# Altium PCB Main_Board.PcbDoc (part 7 of 19) (continued)
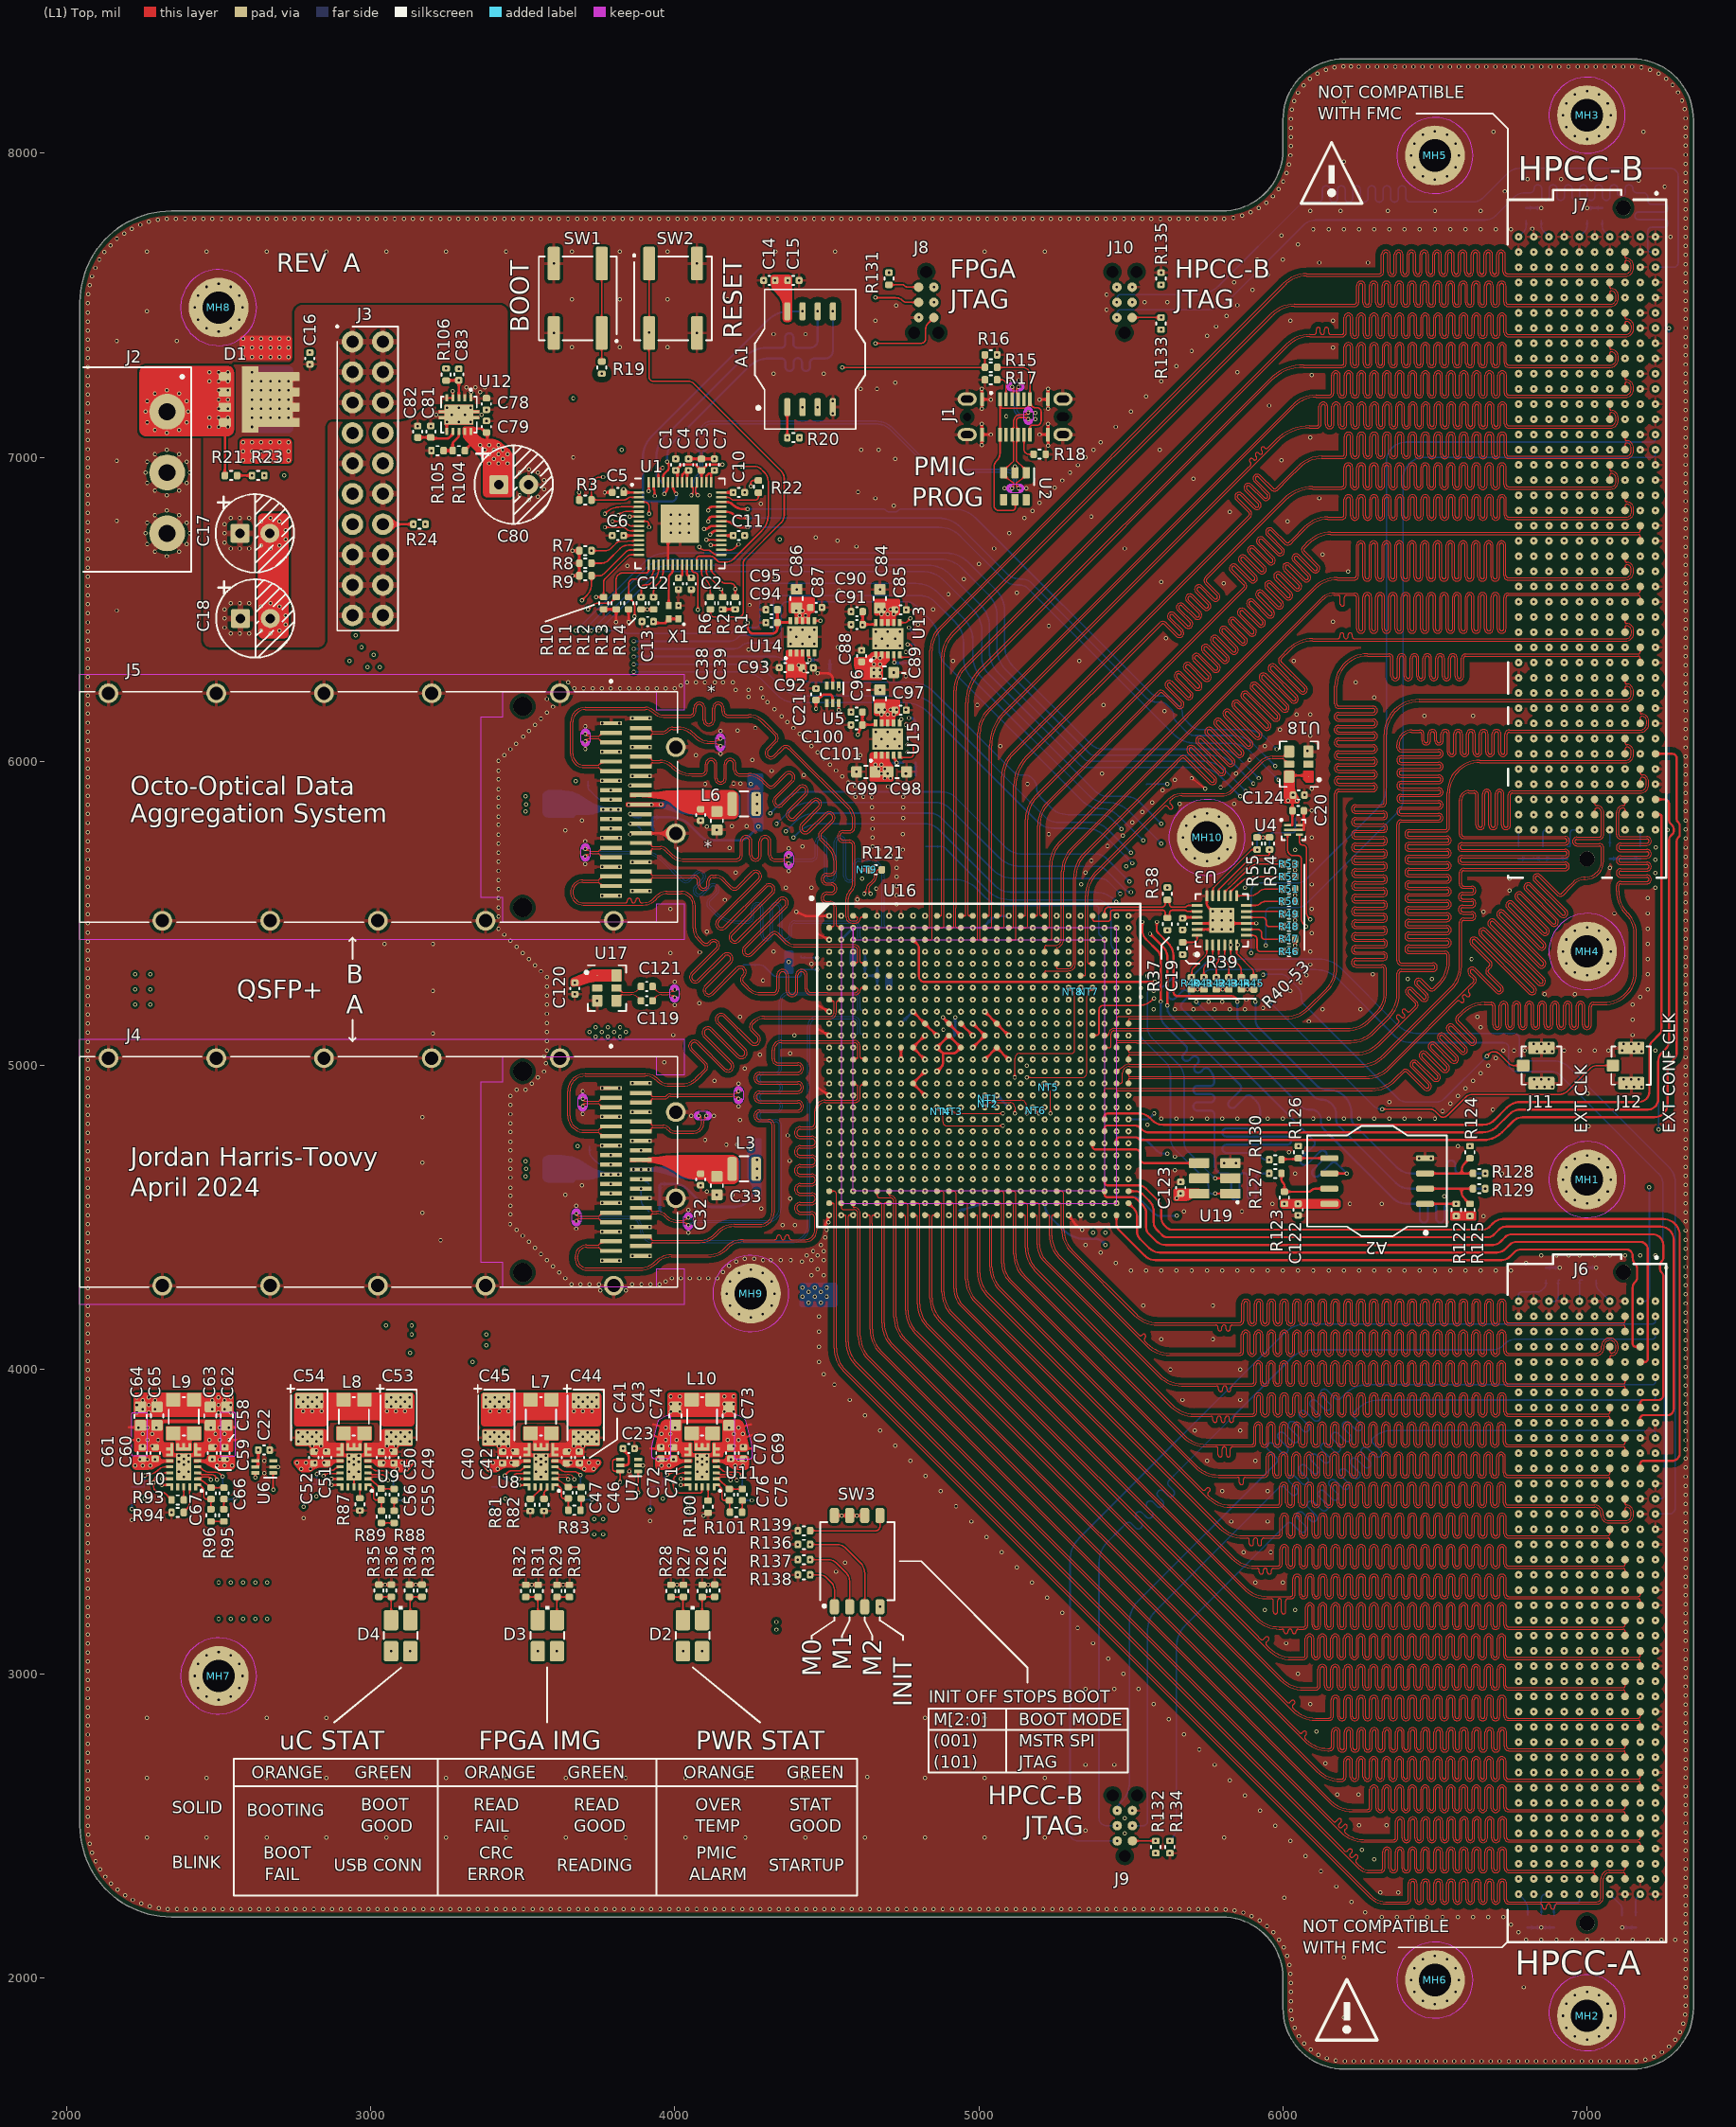
[diagram p0: (L1) Top view]
## Nets (pads, with @x,y where several pads share a name; then routed paths per layer and width w, separated by ;. In a path a pad name is that pad's centre, name@x,y a point inside that pad or via, vN(x,y) a via of type N, cw(c..) or ccw(c..) an arc to the next point about the centre after c; other vN are vias at no path point) (continued)
HPCC_A_29_P: J6.E18 U16.AB11 | length 3805.9
  (L10) Inner 9 w3.5: v1(4901.57,4665.35) 4914.04,4665.35 cw(c4914.04,4654.51) 4924.89,4654.51 4924.89,4483.77 ccw(c4927.36,4483.77) 4925.61,4482.02 cw(c4923.86,4480.27) 4926.34,4480.27 4926.34,4275.09 ccw(c5026.34,4275.09) 4955.63,4204.37 5776.31,3383.69 ccw(c5847.02,3454.4) 5847.02,3354.4 6402,3354.4 6430.45,3354.4 cw(c6430.45,3338.85) 6446,3338.85 6446,3289.35 ccw(c6452.75,3289.35) 6459.5,3289.35 6459.5,3339.73 cw(c6475.05,3339.73) 6490.6,3339.73 6490.6,3289.35 ccw(c6497.35,3289.35) 6504.1,3289.35 6504.1,3339.73 cw(c6519.65,3339.73) 6535.2,3339.73 6535.2,3289.35 ccw(c6541.95,3289.35) 6548.7,3289.35 6548.7,3339.73 cw(c6564.25,3339.73) 6579.8,3339.73 6579.8,3289.35 ccw(c6586.55,3289.35) 6593.3,3289.35 6593.3,3339.73 cw(c6608.85,3339.73) 6624.4,3339.73 6624.4,3289.35 ccw(c6631.15,3289.35) 6637.9,3289.35 6637.9,3339.73 cw(c6653.45,3339.73) 6669,3339.73 6669,3289.35 ccw(c6675.75,3289.35) 6682.5,3289.35 6682.5,3339.73 cw(c6698.05,3339.73) 6713.6,3339.73 6713.6,3289.35 ccw(c6720.35,3289.35) 6727.1,3289.35 6727.1,3338.85 cw(c6742.65,3338.85) 6742.65,3354.4 6803,3354.4 7021.5,3354.4 ccw(c7021.5,3357.9) 7023.97,3355.43 ccw(c7021.5,3357.9) 7025,3357.9 v1(7025,3375)
HPCC_A_30_N: J6.E23 U16.AD9 | length 3931.4
  (L10) Inner 9 w3.5: v1(4822.83,4586.61) 4833.68,4586.61 cw(c4833.68,4581.29) 4839,4581.29 4839,4233.62 ccw(c4947.8,4233.62) 4870.87,4156.69 5850.09,3177.47 ccw(c5927.02,3254.4) 5927.02,3145.6 6332.06,3145.6 6347.31,3145.6 cw(c6347.31,3138.85) 6354.06,3138.85 6354.06,3127.04 ccw(c6360.81,3127.04) 6367.56,3127.04 6367.56,3138.85 cw(c6374.31,3138.85) 6374.31,3145.6 6398,3145.6 6400,3145.6 6428.45,3145.6 cw(c6428.45,3138.85) 6435.2,3138.85 6435.2,3091.08 ccw(c6450.75,3091.08) 6466.3,3091.08 6466.3,3139.32 cw(c6473.05,3139.32) 6479.8,3139.32 6479.8,3091.08 ccw(c6495.35,3091.08) 6510.9,3091.08 6510.9,3139.32 cw(c6517.65,3139.32) 6524.4,3139.32 6524.4,3091.08 ccw(c6539.95,3091.08) 6555.5,3091.08 6555.5,3139.32 cw(c6562.25,3139.32) 6569,3139.32 6569,3091.08 ccw(c6584.55,3091.08) 6600.1,3091.08 6600.1,3139.32 cw(c6606.85,3139.32) 6613.6,3139.32 6613.6,3091.08 ccw(c6629.15,3091.08) 6644.7,3091.08 6644.7,3139.32 cw(c6651.45,3139.32) 6658.2,3139.32 6658.2,3091.08 ccw(c6673.75,3091.08) 6689.3,3091.08 6689.3,3139.32 cw(c6696.05,3139.32) 6702.8,3139.32 6702.8,3091.08 ccw(c6718.35,3091.08) 6733.9,3091.08 6733.9,3138.85 cw(c6740.65,3138.85) 6740.65,3145.6 6799,3145.6 7021.5,3145.6 cw(c7021.5,3142.1) 7023.97,3144.57 cw(c7021.5,3142.1) 7025,3142.1 v1(7025,3125)
HPCC_A_30_P: J6.E22 U16.AC9 | length 3923.7
  (L10) Inner 9 w3.5: v1(4822.83,4625.98) 4836.33,4625.98 cw(c4836.33,4615.96) 4846.35,4615.96 4846.35,4483.77 ccw(c4848.83,4483.77) 4847.07,4482.02 ; 4847.08,4482.02 cw(c4845.32,4480.27) 4847.8,4480.27 4847.8,4233.62 ccw(c4947.8,4233.62) 4877.09,4162.91 5856.31,3183.69 ccw(c5927.02,3254.4) 5927.02,3154.4 6400,3154.4 6428.45,3154.4 cw(c6428.45,3138.85) 6444,3138.85 6444,3091.08 ccw(c6450.75,3091.08) 6457.5,3091.08 6457.5,3139.32 cw(c6473.05,3139.32) 6488.6,3139.32 6488.6,3091.08 ccw(c6495.35,3091.08) 6502.1,3091.08 6502.1,3139.32 cw(c6517.65,3139.32) 6533.2,3139.32 6533.2,3091.08 ccw(c6539.95,3091.08) 6546.7,3091.08 6546.7,3139.32 cw(c6562.25,3139.32) 6577.8,3139.32 6577.8,3091.08 ccw(c6584.55,3091.08) 6591.3,3091.08 6591.3,3139.32 cw(c6606.85,3139.32) 6622.4,3139.32 6622.4,3091.08 ccw(c6629.15,3091.08) 6635.9,3091.08 6635.9,3139.32 cw(c6651.45,3139.32) 6667,3139.32 6667,3091.08 ccw(c6673.75,3091.08) 6680.5,3091.08 6680.5,3139.32 cw(c6696.05,3139.32) 6711.6,3139.32 6711.6,3091.08 ccw(c6718.35,3091.08) 6725.1,3091.08 6725.1,3138.85 cw(c6740.65,3138.85) 6740.65,3154.4 6799,3154.4 7021.5,3154.4 ccw(c7021.5,3157.9) 7023.97,3155.43 ccw(c7021.5,3157.9) 7025,3157.9 v1(7025,3175)
HPCC_A_31_N: J6.E27 U16.AC7 | length 3973.3
  (L10) Inner 9 w3.5: v1(4744.09,4625.98) 4754.91,4625.98 cw(c4754.91,4620.89) 4760,4620.89 4760,4192.62 ccw(c4868.8,4192.62) 4791.87,4115.69 5930.09,2977.47 ccw(c6007.02,3054.4) 6007.02,2945.6 6492.55,2945.6 6518.25,2945.6 cw(c6518.25,2938.85) 6525,2938.85 6525,2881.52 ccw(c6540.55,2881.52) 6556.1,2881.52 6556.1,2939.85 cw(c6562.85,2939.85) 6569.6,2939.85 6569.6,2881.52 ccw(c6585.15,2881.52) 6600.7,2881.52 6600.7,2939.85 cw(c6607.45,2939.85) 6614.2,2939.85 6614.2,2881.52 ccw(c6629.75,2881.52) 6645.3,2881.52 6645.3,2939.85 cw(c6652.05,2939.85) 6658.8,2939.85 6658.8,2881.52 ccw(c6674.35,2881.52) 6689.9,2881.52 6689.9,2939.85 cw(c6696.65,2939.85) 6703.4,2939.85 6703.4,2881.52 ccw(c6718.95,2881.52) 6734.5,2881.52 6734.5,2938.85 cw(c6741.25,2938.85) 6741.25,2945.6 6792,2945.6 7021.5,2945.6 cw(c7021.5,2942.1) 7023.97,2944.57 cw(c7021.5,2942.1) 7025,2942.1 v1(7025,2925)
HPCC_A_31_P: J6.E26 U16.AB7 | length 4061.2
  (L10) Inner 9 w3.5: v1(4744.09,4665.35) 4756.88,4665.35 cw(c4756.88,4654.88) 4767.35,4654.88 4767.35,4483.77 ccw(c4769.83,4483.77) 4768.07,4482.02 ; 4768.08,4482.02 cw(c4766.32,4480.27) 4768.8,4480.27 4768.8,4192.62 ccw(c4868.8,4192.62) 4798.09,4121.91 5936.31,2983.69 ccw(c6007.02,3054.4) 6007.02,2954.4 6425.5,2954.4 6427.25,2954.4 ccw(c6427.25,2961.15) 6434,2961.15 6434,2966.94 cw(c6440.75,2966.94) 6447.5,2966.94 6447.5,2959.7 ccw(c6454.25,2959.7) 6461,2959.7 6461,2966.94 cw(c6467.75,2966.94) 6474.5,2966.94 6474.5,2961.15 ccw(c6481.25,2961.15) 6481.25,2954.4 6490,2954.4 6492.55,2954.4 6518.25,2954.4 cw(c6518.25,2938.85) 6533.8,2938.85 6533.8,2881.52 ccw(c6540.55,2881.52) 6547.3,2881.52 6547.3,2939.85 cw(c6562.85,2939.85) 6578.4,2939.85 6578.4,2881.52 ccw(c6585.15,2881.52) 6591.9,2881.52 6591.9,2939.85 cw(c6607.45,2939.85) 6623,2939.85 6623,2881.52 ccw(c6629.75,2881.52) 6636.5,2881.52 6636.5,2939.85 cw(c6652.05,2939.85) 6667.6,2939.85 6667.6,2881.52 ccw(c6674.35,2881.52) 6681.1,2881.52 6681.1,2939.85 cw(c6696.65,2939.85) 6712.2,2939.85 6712.2,2881.52 ccw(c6718.95,2881.52) 6725.7,2881.52 6725.7,2938.85 cw(c6741.25,2938.85) 6741.25,2954.4 6792,2954.4 7021.5,2954.4 ccw(c7021.5,2957.9) 7023.97,2955.43 ccw(c7021.5,2957.9) 7025,2957.9 v1(7025,2975)
HPCC_A_32_N: J6.E31 U16.AB5 | length 3927
  (L10) Inner 9 w3.5: v1(4665.35,4665.35) 4676.52,4665.35 cw(c4676.52,4660.41) 4681.46,4660.41 4681.46,4151.16 ccw(c4790.26,4151.16) 4713.33,4074.23 6010.09,2777.47 ccw(c6087.02,2854.4) 6087.02,2745.6 6527.67,2745.6 6542.92,2745.6 cw(c6542.92,2738.85) 6549.67,2738.85 6549.67,2731.66 ccw(c6556.42,2731.66) 6563.17,2731.66 6563.17,2738.85 cw(c6569.92,2738.85) 6569.92,2745.6 6579,2745.6 6607.48,2745.6 cw(c6607.48,2738.85) 6614.23,2738.85 6614.23,2683.82 ccw(c6629.78,2683.82) 6645.33,2683.82 6645.33,2739.02 cw(c6652.08,2739.02) 6658.83,2739.02 6658.83,2683.82 ccw(c6674.38,2683.82) 6689.93,2683.82 6689.93,2739.02 cw(c6696.68,2739.02) 6703.43,2739.02 6703.43,2683.82 ccw(c6718.98,2683.82) 6734.53,2683.82 6734.53,2738.85 cw(c6741.28,2738.85) 6741.28,2745.6 6792.03,2745.6 7021.5,2745.6 cw(c7021.5,2742.1) 7023.97,2744.57 cw(c7021.5,2742.1) 7025,2742.1 v1(7025,2725)
HPCC_A_32_P: J6.E30 U16.AA5 | length 3928.4
  (L10) Inner 9 w3.5: v1(4665.35,4704.72) 4678.93,4704.72 cw(c4678.93,4694.84) 4688.81,4694.84 4688.81,4483.77 ccw(c4691.29,4483.77) 4689.54,4482.02 cw(c4687.79,4480.27) 4690.26,4480.27 4690.26,4151.16 ccw(c4790.26,4151.16) 4719.55,4080.45 6016.31,2783.69 ccw(c6087.02,2854.4) 6087.02,2754.4 6579,2754.4 6607.48,2754.4 cw(c6607.48,2738.85) 6623.03,2738.85 6623.03,2683.82 ccw(c6629.78,2683.82) 6636.53,2683.82 6636.53,2739.02 cw(c6652.08,2739.02) 6667.63,2739.02 6667.63,2683.82 ccw(c6674.38,2683.82) 6681.13,2683.82 6681.13,2739.02 cw(c6696.68,2739.02) 6712.23,2739.02 6712.23,2683.82 ccw(c6718.98,2683.82) 6725.73,2683.82 6725.73,2738.85 cw(c6741.28,2738.85) 6741.28,2754.4 6792.03,2754.4 7021.5,2754.4 ccw(c7021.5,2757.9) 7023.97,2755.43 ccw(c7021.5,2757.9) 7025,2757.9 v1(7025,2775)
HPCC_A_33_N: J6.E35 U16.AD3 | length 3912.3
  (L10) Inner 9 w3.5: v1(4586.61,4586.61) 4599.12,4586.61 cw(c4599.12,4583.11) 4601.6,4585.59 cw(c4599.12,4583.11) 4602.62,4583.11 4602.62,4110 ccw(c4711.42,4110) 4634.49,4033.06 6090.09,2577.47 ccw(c6167.02,2654.4) 6167.02,2545.6 6529.51,2545.6 6544.76,2545.6 cw(c6544.76,2538.85) 6551.51,2538.85 6551.51,2530.75 ccw(c6558.26,2530.75) 6565.01,2530.75 6565.01,2538.85 cw(c6571.76,2538.85) 6571.76,2545.6 6581,2545.6 6581.26,2545.6 6609.71,2545.6 cw(c6609.71,2538.85) 6616.46,2538.85 6616.46,2504.82 ccw(c6632.01,2504.82) 6647.56,2504.82 6647.56,2539.49 cw(c6654.31,2539.49) 6661.06,2539.49 6661.06,2504.82 ccw(c6676.61,2504.82) 6692.16,2504.82 6692.16,2539.49 cw(c6698.91,2539.49) 6705.66,2539.49 6705.66,2504.82 ccw(c6721.21,2504.82) 6736.76,2504.82 6736.76,2538.85 cw(c6743.51,2538.85) 6743.51,2545.6 6773,2545.6 7021.5,2545.6 cw(c7021.5,2542.1) 7023.97,2544.57 cw(c7021.5,2542.1) 7025,2542.1 v1(7025,2525)
HPCC_A_33_P: J6.E34 U16.AD4 | length 3867.3
  (L10) Inner 9 w3.5: v1(4625.98,4586.61) 4613.47,4586.61 ccw(c4613.47,4583.11) 4611,4585.59 ccw(c4613.47,4583.11) 4609.97,4583.11 4609.97,4483.77 ccw(c4612.45,4483.77) 4610.7,4482.02 cw(c4608.95,4480.27) 4611.42,4480.27 4611.42,4110 ccw(c4711.42,4110) 4640.71,4039.29 6096.31,2583.69 ccw(c6167.02,2654.4) 6167.02,2554.4 6581.26,2554.4 6609.71,2554.4 cw(c6609.71,2538.85) 6625.26,2538.85 6625.26,2504.82 ccw(c6632.01,2504.82) 6638.76,2504.82 6638.76,2539.49 cw(c6654.31,2539.49) 6669.86,2539.49 6669.86,2504.82 ccw(c6676.61,2504.82) 6683.36,2504.82 6683.36,2539.49 cw(c6698.91,2539.49) 6714.46,2539.49 6714.46,2504.82 ccw(c6721.21,2504.82) 6727.96,2504.82 6727.96,2538.85 cw(c6743.51,2538.85) 6743.51,2554.4 6773,2554.4 7021.5,2554.4 ccw(c7021.5,2557.9) 7023.97,2555.43 ccw(c7021.5,2557.9) 7025,2557.9 v1(7025,2575)
HPCC_A_34_N: J6.E39 U16.AF2 | length 5005.3
  (L1) Top w3.5: v1(4547.24,4507.87) 4559.75,4507.87 cw(c4559.75,4504.37) 4562.23,4506.85 cw(c4559.75,4504.37) 4563.25,4504.37 4563.25,4090.62 ccw(c4671.58,4090.62) 4594.98,4014.02 6250,2359 ccw(c6281.37,2390.4) 6281.37,2346.02 ; 6281.42,2346.02 6288.56,2346.02 6321.25,2346.02 ccw(c6321.25,2360.32) 6335.55,2360.32 6335.55,2415 cw(c6342.3,2415) 6349.05,2415 6349.05,2359.39 ccw(c6363.35,2359.39) 6377.65,2359.39 6377.65,2415 cw(c6384.4,2415) 6391.15,2415 6391.15,2359.39 ccw(c6405.45,2359.39) 6419.75,2359.39 6419.75,2415 cw(c6426.5,2415) 6433.25,2415 6433.25,2359.39 ccw(c6447.55,2359.39) 6461.85,2359.39 6461.85,2415 cw(c6468.6,2415) 6475.35,2415 6475.35,2359.39 ccw(c6489.65,2359.39) 6503.95,2359.39 6503.95,2415 cw(c6510.7,2415) 6517.45,2415 6517.45,2359.39 ccw(c6531.75,2359.39) 6546.05,2359.39 6546.05,2415 cw(c6552.8,2415) 6559.55,2415 6559.55,2359.39 ccw(c6573.85,2359.39) 6588.15,2359.39 6588.15,2415 cw(c6594.9,2415) 6601.65,2415 6601.65,2359.39 ccw(c6615.95,2359.39) 6630.25,2359.39 6630.25,2415 cw(c6637,2415) 6643.75,2415 6643.75,2359.39 ccw(c6658.05,2359.39) 6672.35,2359.39 6672.35,2415 cw(c6679.1,2415) 6685.85,2415 6685.85,2359.39 ccw(c6700.15,2359.39) 6714.45,2359.39 6714.45,2415 cw(c6721.2,2415) 6727.95,2415 6727.95,2360.32 ccw(c6742.25,2360.32) 6742.25,2346.02 6768.82,2346.02 7019.57,2346.02 cw(c7019.57,2340.58) 7025,2340.58 J6.E39@7025,2325
HPCC_A_34_P: J6.E38 U16.AF3 | length 5049.9
  (L1) Top w3.5: v1(4586.61,4507.87) 4574.1,4507.87 ccw(c4574.1,4504.37) 4571.63,4506.85 ccw(c4574.1,4504.37) 4570.6,4504.37 4570.6,4481.45 4570.8,4481.25 4570.8,4090.62 ccw(c4670.8,4090.62) 4600.09,4019.91 6193.68,2426.32 6202.76,2417.24 ccw(c6207.53,2422.01) 6212.31,2417.24 6216.71,2421.64 cw(c6221.48,2416.86) 6226.25,2421.64 cw(c6221.48,2416.86) 6226.25,2412.09 6221.55,2407.39 ccw(c6226.32,2402.62) 6221.55,2397.84 ccw(c6226.32,2402.62) 6231.1,2397.84 6235.8,2402.55 cw(c6240.57,2397.77) 6245.34,2402.55 cw(c6240.57,2397.77) 6245.34,2393 6240.95,2388.6 ccw(c6245.72,2383.83) 6240.95,2379.05 6251.73,2368.27 6252.88,2367.12 ccw(c6285.6,2399.85) 6285.6,2353.57 6288.56,2353.57 6321.25,2353.57 ccw(c6321.25,2360.32) 6328,2360.32 6328,2415 cw(c6342.3,2415) 6356.6,2415 6356.6,2359.39 ccw(c6363.35,2359.39) 6370.1,2359.39 6370.1,2415 cw(c6384.4,2415) 6398.7,2415 6398.7,2359.39 ccw(c6405.45,2359.39) 6412.2,2359.39 6412.2,2415 cw(c6426.5,2415) 6440.8,2415 6440.8,2359.39 ccw(c6447.55,2359.39) 6454.3,2359.39 6454.3,2415 cw(c6468.6,2415) 6482.9,2415 6482.9,2359.39 ccw(c6489.65,2359.39) 6496.4,2359.39 6496.4,2415 cw(c6510.7,2415) 6525,2415 6525,2359.39 ccw(c6531.75,2359.39) 6538.5,2359.39 6538.5,2415 cw(c6552.8,2415) 6567.1,2415 6567.1,2359.39 ccw(c6573.85,2359.39) 6580.6,2359.39 6580.6,2415 cw(c6594.9,2415) 6609.2,2415 6609.2,2359.39 ccw(c6615.95,2359.39) 6622.7,2359.39 6622.7,2415 cw(c6637,2415) 6651.3,2415 6651.3,2359.39 ccw(c6658.05,2359.39) 6664.8,2359.39 6664.8,2415 cw(c6679.1,2415) 6693.4,2415 6693.4,2359.39 ccw(c6700.15,2359.39) 6706.9,2359.39 6706.9,2415 cw(c6721.2,2415) 6735.5,2415 6735.5,2360.32 ccw(c6742.25,2360.32) 6742.25,2353.57 6768.82,2353.57 7019.57,2353.57 ccw(c7019.57,2359) 7025,2359 J6.E38@7025,2375
HPCC_A_35_N: J6.F5 U16.AD18 | length 3841.9
  (L10) Inner 9 w3.5: v1(5177.17,4586.61) 5188.49,4586.61 cw(c5188.49,4582.1) 5193,4582.1 5193,4419.62 ccw(c5301.8,4419.62) 5224.87,4342.69 5490.09,4077.47 ccw(c5567.02,4154.4) 5567.02,4045.6 6135.01,4045.6 6150.26,4045.6 cw(c6150.26,4038.85) 6157.01,4038.85 6157.01,4022.56 ccw(c6163.76,4022.56) 6170.51,4022.56 6170.51,4038.85 cw(c6177.26,4038.85) 6177.26,4045.6 6186,4045.6 6186.67,4045.6 6206.34,4045.6 cw(c6206.34,4038.85) 6213.09,4038.85 6213.09,3984.24 ccw(c6228.64,3984.24) 6244.19,3984.24 6244.19,4039.93 cw(c6250.94,4039.93) 6257.69,4039.93 6257.69,3984.24 ccw(c6273.24,3984.24) 6288.79,3984.24 6288.79,4039.93 cw(c6295.54,4039.93) 6302.29,4039.93 6302.29,3984.24 ccw(c6317.84,3984.24) 6333.39,3984.24 6333.39,4039.93 cw(c6340.14,4039.93) 6346.89,4039.93 6346.89,3984.24 ccw(c6362.44,3984.24) 6377.99,3984.24 6377.99,4039.93 cw(c6384.74,4039.93) 6391.49,4039.93 6391.49,3984.24 ccw(c6407.04,3984.24) 6422.59,3984.24 6422.59,4039.93 cw(c6429.34,4039.93) 6436.09,4039.93 6436.09,3984.24 ccw(c6451.64,3984.24) 6467.19,3984.24 6467.19,4039.93 cw(c6473.94,4039.93) 6480.69,4039.93 6480.69,3984.24 ccw(c6496.24,3984.24) 6511.79,3984.24 6511.79,4039.93 cw(c6518.54,4039.93) 6525.29,4039.93 6525.29,3984.24 ccw(c6540.84,3984.24) 6556.39,3984.24 6556.39,4039.93 cw(c6563.14,4039.93) 6569.89,4039.93 6569.89,3984.24 ccw(c6585.44,3984.24) 6600.99,3984.24 6600.99,4039.93 cw(c6607.74,4039.93) 6614.49,4039.93 6614.49,3984.24 ccw(c6630.04,3984.24) 6645.59,3984.24 6645.59,4039.93 cw(c6652.34,4039.93) 6659.09,4039.93 6659.09,3984.24 ccw(c6674.64,3984.24) 6690.19,3984.24 6690.19,4039.93 cw(c6696.94,4039.93) 6703.69,4039.93 6703.69,3984.24 ccw(c6719.24,3984.24) 6734.79,3984.24 6734.79,4038.85 cw(c6741.54,4038.85) 6741.54,4045.6 6836.89,4045.6 6971.5,4045.6 cw(c6971.5,4042.1) 6973.97,4044.57 cw(c6971.5,4042.1) 6975,4042.1 v1(6975,4025)
HPCC_A_35_P: J6.F4 U16.AC18 | length 3824.9
  (L10) Inner 9 w3.5: v1(5177.17,4625.98) 5190.41,4625.98 cw(c5190.41,4616.04) 5200.35,4616.04 5200.35,4483.77 ccw(c5202.83,4483.77) 5201.07,4482.02 ; 5201.08,4482.02 cw(c5199.32,4480.27) 5201.8,4480.27 5201.8,4419.62 ccw(c5301.8,4419.62) 5231.09,4348.91 5496.31,4083.69 ccw(c5567.02,4154.4) 5567.02,4054.4 6186.67,4054.4 6206.34,4054.4 cw(c6206.34,4038.85) 6221.89,4038.85 6221.89,3984.24 ccw(c6228.64,3984.24) 6235.39,3984.24 6235.39,4039.93 cw(c6250.94,4039.93) 6266.49,4039.93 6266.49,3984.24 ccw(c6273.24,3984.24) 6279.99,3984.24 6279.99,4039.93 cw(c6295.54,4039.93) 6311.09,4039.93 6311.09,3984.24 ccw(c6317.84,3984.24) 6324.59,3984.24 6324.59,4039.93 cw(c6340.14,4039.93) 6355.69,4039.93 6355.69,3984.24 ccw(c6362.44,3984.24) 6369.19,3984.24 6369.19,4039.93 cw(c6384.74,4039.93) 6400.29,4039.93 6400.29,3984.24 ccw(c6407.04,3984.24) 6413.79,3984.24 6413.79,4039.93 cw(c6429.34,4039.93) 6444.89,4039.93 6444.89,3984.24 ccw(c6451.64,3984.24) 6458.39,3984.24 6458.39,4039.93 cw(c6473.94,4039.93) 6489.49,4039.93 6489.49,3984.24 ccw(c6496.24,3984.24) 6502.99,3984.24 6502.99,4039.93 cw(c6518.54,4039.93) 6534.09,4039.93 6534.09,3984.24 ccw(c6540.84,3984.24) 6547.59,3984.24 6547.59,4039.93 cw(c6563.14,4039.93) 6578.69,4039.93 6578.69,3984.24 ccw(c6585.44,3984.24) 6592.19,3984.24 6592.19,4039.93 cw(c6607.74,4039.93) 6623.29,4039.93 6623.29,3984.24 ccw(c6630.04,3984.24) 6636.79,3984.24 6636.79,4039.93 cw(c6652.34,4039.93) 6667.89,4039.93 6667.89,3984.24 ccw(c6674.64,3984.24) 6681.39,3984.24 6681.39,4039.93 cw(c6696.94,4039.93) 6712.49,4039.93 6712.49,3984.24 ccw(c6719.24,3984.24) 6725.99,3984.24 6725.99,4038.85 cw(c6741.54,4038.85) 6741.54,4054.4 6836.89,4054.4 6971.5,4054.4 ccw(c6971.5,4057.9) 6973.97,4055.43 ccw(c6971.5,4057.9) 6975,4057.9 v1(6975,4075)
HPCC_A_36_N: J6.F9 U16.AC16 | length 3847.3
  (L10) Inner 9 w3.5: v1(5098.43,4625.98) 5109.72,4625.98 cw(c5109.72,4621.27) 5114.43,4621.27 5114.43,4378.19 ccw(c5223.23,4378.19) 5146.3,4301.26 5570.09,3877.47 ccw(c5647.02,3954.4) 5647.02,3845.6 6209,3845.6 6224.25,3845.6 cw(c6224.25,3838.85) 6231,3838.85 6231,3822.45 ccw(c6237.75,3822.45) 6244.5,3822.45 6244.5,3838.85 cw(c6251.25,3838.85) 6251.25,3845.6 6260.3,3845.6 6265.95,3845.6 6294.4,3845.6 cw(c6294.4,3838.85) 6301.15,3838.85 6301.15,3781.51 ccw(c6316.7,3781.51) 6332.25,3781.51 6332.25,3839.88 cw(c6339,3839.88) 6345.75,3839.88 6345.75,3781.51 ccw(c6361.3,3781.51) 6376.85,3781.51 6376.85,3839.88 cw(c6383.6,3839.88) 6390.35,3839.88 6390.35,3781.51 ccw(c6405.9,3781.51) 6421.45,3781.51 6421.45,3839.88 cw(c6428.2,3839.88) 6434.95,3839.88 6434.95,3781.51 ccw(c6450.5,3781.51) 6466.05,3781.51 6466.05,3839.88 cw(c6472.8,3839.88) 6479.55,3839.88 6479.55,3781.51 ccw(c6495.1,3781.51) 6510.65,3781.51 6510.65,3839.88 cw(c6517.4,3839.88) 6524.15,3839.88 6524.15,3781.51 ccw(c6539.7,3781.51) 6555.25,3781.51 6555.25,3839.88 cw(c6562,3839.88) 6568.75,3839.88 6568.75,3781.51 ccw(c6584.3,3781.51) 6599.85,3781.51 6599.85,3839.88 cw(c6606.6,3839.88) 6613.35,3839.88 6613.35,3781.51 ccw(c6628.9,3781.51) 6644.45,3781.51 6644.45,3839.88 cw(c6651.2,3839.88) 6657.95,3839.88 6657.95,3781.51 ccw(c6673.5,3781.51) 6689.05,3781.51 6689.05,3839.88 cw(c6695.8,3839.88) 6702.55,3839.88 6702.55,3781.51 ccw(c6718.1,3781.51) 6733.65,3781.51 6733.65,3838.85 cw(c6740.4,3838.85) 6740.4,3845.6 6806,3845.6 6971.5,3845.6 cw(c6971.5,3842.1) 6973.97,3844.57 cw(c6971.5,3842.1) 6975,3842.1 v1(6975,3825)
HPCC_A_36_P: J6.F8 U16.AB16 | length 3829.9
  (L10) Inner 9 w3.5: v1(5098.43,4665.35) 5111.29,4665.35 cw(c5111.29,4654.86) 5121.78,4654.86 5121.78,4483.77 ccw(c5124.26,4483.77) 5122.51,4482.02 cw(c5120.76,4480.27) 5123.23,4480.27 5123.23,4378.19 ccw(c5223.23,4378.19) 5152.52,4307.48 5576.31,3883.69 ccw(c5647.02,3954.4) 5647.02,3854.4 6265.95,3854.4 6294.4,3854.4 cw(c6294.4,3838.85) 6309.95,3838.85 6309.95,3781.51 ccw(c6316.7,3781.51) 6323.45,3781.51 6323.45,3839.88 cw(c6339,3839.88) 6354.55,3839.88 6354.55,3781.51 ccw(c6361.3,3781.51) 6368.05,3781.51 6368.05,3839.88 cw(c6383.6,3839.88) 6399.15,3839.88 6399.15,3781.51 ccw(c6405.9,3781.51) 6412.65,3781.51 6412.65,3839.88 cw(c6428.2,3839.88) 6443.75,3839.88 6443.75,3781.51 ccw(c6450.5,3781.51) 6457.25,3781.51 6457.25,3839.88 cw(c6472.8,3839.88) 6488.35,3839.88 6488.35,3781.51 ccw(c6495.1,3781.51) 6501.85,3781.51 6501.85,3839.88 cw(c6517.4,3839.88) 6532.95,3839.88 6532.95,3781.51 ccw(c6539.7,3781.51) 6546.45,3781.51 6546.45,3839.88 cw(c6562,3839.88) 6577.55,3839.88 6577.55,3781.51 ccw(c6584.3,3781.51) 6591.05,3781.51 6591.05,3839.88 cw(c6606.6,3839.88) 6622.15,3839.88 6622.15,3781.51 ccw(c6628.9,3781.51) 6635.65,3781.51 6635.65,3839.88 cw(c6651.2,3839.88) 6666.75,3839.88 6666.75,3781.51 ccw(c6673.5,3781.51) 6680.25,3781.51 6680.25,3839.88 cw(c6695.8,3839.88) 6711.35,3839.88 6711.35,3781.51 ccw(c6718.1,3781.51) 6724.85,3781.51 6724.85,3838.85 cw(c6740.4,3838.85) 6740.4,3854.4 6806,3854.4 6971.5,3854.4 ccw(c6971.5,3857.9) 6973.97,3855.43 ccw(c6971.5,3857.9) 6975,3857.9 v1(6975,3875)
HPCC_A_37_N: J6.F13 U16.AD14 | length 3917.1
  (L10) Inner 9 w3.5: v1(5019.69,4586.61) 5030.88,4586.61 cw(c5030.88,4581.49) 5036,4581.49 5036,4336.62 ccw(c5144.8,4336.62) 5067.87,4259.69 5650.09,3677.47 ccw(c5727.02,3754.4) 5727.02,3645.6 6221.21,3645.6 6249.66,3645.6 cw(c6249.66,3638.85) 6256.41,3638.85 6256.41,3588.77 ccw(c6271.96,3588.77) 6287.51,3588.77 6287.51,3639.34 cw(c6294.26,3639.34) 6301.01,3639.34 6301.01,3588.77 ccw(c6316.56,3588.77) 6332.11,3588.77 6332.11,3639.34 cw(c6338.86,3639.34) 6345.61,3639.34 6345.61,3588.77 ccw(c6361.16,3588.77) 6376.71,3588.77 6376.71,3639.34 cw(c6383.46,3639.34) 6390.21,3639.34 6390.21,3588.77 ccw(c6405.76,3588.77) 6421.31,3588.77 6421.31,3639.34 cw(c6428.06,3639.34) 6434.81,3639.34 6434.81,3588.77 ccw(c6450.36,3588.77) 6465.91,3588.77 6465.91,3639.34 cw(c6472.66,3639.34) 6479.41,3639.34 6479.41,3588.77 ccw(c6494.96,3588.77) 6510.51,3588.77 6510.51,3639.34 cw(c6517.26,3639.34) 6524.01,3639.34 6524.01,3588.77 ccw(c6539.56,3588.77) 6555.11,3588.77 6555.11,3639.34 cw(c6561.86,3639.34) 6568.61,3639.34 6568.61,3588.77 ccw(c6584.16,3588.77) 6599.71,3588.77 6599.71,3639.34 cw(c6606.46,3639.34) 6613.21,3639.34 6613.21,3588.77 ccw(c6628.76,3588.77) 6644.31,3588.77 6644.31,3639.34 cw(c6651.06,3639.34) 6657.81,3639.34 6657.81,3588.77 ccw(c6673.36,3588.77) 6688.91,3588.77 6688.91,3639.34 cw(c6695.66,3639.34) 6702.41,3639.34 6702.41,3588.77 ccw(c6717.96,3588.77) 6733.51,3588.77 6733.51,3638.85 cw(c6740.26,3638.85) 6740.26,3645.6 6798,3645.6 6971.5,3645.6 cw(c6971.5,3642.1) 6973.97,3644.57 cw(c6971.5,3642.1) 6975,3642.1 v1(6975,3625)
HPCC_A_37_P: J6.F12 U16.AC14 | length 3999.5
  (L10) Inner 9 w3.5: v1(5019.69,4625.98) 5032.54,4625.98 cw(c5032.54,4615.17) 5043.35,4615.17 5043.35,4483.77 ccw(c5045.83,4483.77) 5044.07,4482.02 ; 5044.08,4482.02 cw(c5042.32,4480.27) 5044.8,4480.27 5044.8,4336.62 ccw(c5144.8,4336.62) 5074.09,4265.91 5656.31,3683.69 ccw(c5727.02,3754.4) 5727.02,3654.4 6082,3654.4 6083.75,3654.4 ccw(c6083.75,3661.15) 6090.5,3661.15 6090.5,3665.62 cw(c6097.25,3665.62) 6104,3665.62 6104,3659.7 ccw(c6110.75,3659.7) 6117.5,3659.7 6117.5,3665.62 cw(c6124.25,3665.62) 6131,3665.62 6131,3661.15 ccw(c6137.75,3661.15) 6137.75,3654.4 6147.15,3654.4 6221.21,3654.4 6249.66,3654.4 cw(c6249.66,3638.85) 6265.21,3638.85 6265.21,3588.77 ccw(c6271.96,3588.77) 6278.71,3588.77 6278.71,3639.34 cw(c6294.26,3639.34) 6309.81,3639.34 6309.81,3588.77 ccw(c6316.56,3588.77) 6323.31,3588.77 6323.31,3639.34 cw(c6338.86,3639.34) 6354.41,3639.34 6354.41,3588.77 ccw(c6361.16,3588.77) 6367.91,3588.77 6367.91,3639.34 cw(c6383.46,3639.34) 6399.01,3639.34 6399.01,3588.77 ccw(c6405.76,3588.77) 6412.51,3588.77 6412.51,3639.34 cw(c6428.06,3639.34) 6443.61,3639.34 6443.61,3588.77 ccw(c6450.36,3588.77) 6457.11,3588.77 6457.11,3639.34 cw(c6472.66,3639.34) 6488.21,3639.34 6488.21,3588.77 ccw(c6494.96,3588.77) 6501.71,3588.77 6501.71,3639.34 cw(c6517.26,3639.34) 6532.81,3639.34 6532.81,3588.77 ccw(c6539.56,3588.77) 6546.31,3588.77 6546.31,3639.34 cw(c6561.86,3639.34) 6577.41,3639.34 6577.41,3588.77 ccw(c6584.16,3588.77) 6590.91,3588.77 6590.91,3639.34 cw(c6606.46,3639.34) 6622.01,3639.34 6622.01,3588.77 ccw(c6628.76,3588.77) 6635.51,3588.77 6635.51,3639.34 cw(c6651.06,3639.34) 6666.61,3639.34 6666.61,3588.77 ccw(c6673.36,3588.77) 6680.11,3588.77 6680.11,3639.34 cw(c6695.66,3639.34) 6711.21,3639.34 6711.21,3588.77 ccw(c6717.96,3588.77) 6724.71,3588.77 6724.71,3638.85 cw(c6740.26,3638.85) 6740.26,3654.4 6798,3654.4 6971.5,3654.4 ccw(c6971.5,3657.9) 6973.97,3655.43 ccw(c6971.5,3657.9) 6975,3657.9 v1(6975,3675)
HPCC_A_38_N: J6.F17 U16.AC12 | length 3751.7
  (L10) Inner 9 w3.5: v1(4940.94,4625.98) 4952.38,4625.98 cw(c4952.38,4621.37) 4957,4621.37 4957,4295.62 ccw(c5065.8,4295.62) 4988.87,4218.69 5730.09,3477.47 ccw(c5807.02,3554.4) 5807.02,3445.6 6308.65,3445.6 6323.9,3445.6 cw(c6323.9,3438.85) 6330.65,3438.85 6330.65,3432.19 ccw(c6337.4,3432.19) 6344.15,3432.19 6344.15,3438.85 cw(c6350.9,3438.85) 6350.9,3445.6 6360,3445.6 6362.47,3445.6 6384.45,3445.6 cw(c6384.45,3438.85) 6391.2,3438.85 6391.2,3391.39 ccw(c6406.75,3391.39) 6422.3,3391.39 6422.3,3439.51 cw(c6429.05,3439.51) 6435.8,3439.51 6435.8,3391.39 ccw(c6451.35,3391.39) 6466.9,3391.39 6466.9,3439.51 cw(c6473.65,3439.51) 6480.4,3439.51 6480.4,3391.39 ccw(c6495.95,3391.39) 6511.5,3391.39 6511.5,3439.51 cw(c6518.25,3439.51) 6525,3439.51 6525,3391.39 ccw(c6540.55,3391.39) 6556.1,3391.39 6556.1,3439.51 cw(c6562.85,3439.51) 6569.6,3439.51 6569.6,3391.39 ccw(c6585.15,3391.39) 6600.7,3391.39 6600.7,3439.51 cw(c6607.45,3439.51) 6614.2,3439.51 6614.2,3391.39 ccw(c6629.75,3391.39) 6645.3,3391.39 6645.3,3439.51 cw(c6652.05,3439.51) 6658.8,3439.51 6658.8,3391.39 ccw(c6674.35,3391.39) 6689.9,3391.39 6689.9,3439.51 cw(c6696.65,3439.51) 6703.4,3439.51 6703.4,3391.39 ccw(c6718.95,3391.39) 6734.5,3391.39 6734.5,3438.85 cw(c6741.25,3438.85) 6741.25,3445.6 6792,3445.6 6971.5,3445.6 cw(c6971.5,3442.1) 6973.97,3444.57 cw(c6971.5,3442.1) 6975,3442.1 v1(6975,3425)
HPCC_A_38_P: J6.F16 U16.AB12 | length 3753.8
  (L10) Inner 9 w3.5: v1(4940.94,4665.35) 4954.16,4665.35 cw(c4954.16,4655.16) 4964.35,4655.16 4964.35,4483.77 ccw(c4966.83,4483.77) 4965.07,4482.02 ; 4965.08,4482.02 cw(c4963.32,4480.27) 4965.8,4480.27 4965.8,4295.62 ccw(c5065.8,4295.62) 4995.09,4224.91 5736.31,3483.69 ccw(c5807.02,3554.4) 5807.02,3454.4 6362.47,3454.4 6384.45,3454.4 cw(c6384.45,3438.85) 6400,3438.85 6400,3391.39 ccw(c6406.75,3391.39) 6413.5,3391.39 6413.5,3439.51 cw(c6429.05,3439.51) 6444.6,3439.51 6444.6,3391.39 ccw(c6451.35,3391.39) 6458.1,3391.39 6458.1,3439.51 cw(c6473.65,3439.51) 6489.2,3439.51 6489.2,3391.39 ccw(c6495.95,3391.39) 6502.7,3391.39 6502.7,3439.51 cw(c6518.25,3439.51) 6533.8,3439.51 6533.8,3391.39 ccw(c6540.55,3391.39) 6547.3,3391.39 6547.3,3439.51 cw(c6562.85,3439.51) 6578.4,3439.51 6578.4,3391.39 ccw(c6585.15,3391.39) 6591.9,3391.39 6591.9,3439.51 cw(c6607.45,3439.51) 6623,3439.51 6623,3391.39 ccw(c6629.75,3391.39) 6636.5,3391.39 6636.5,3439.51 cw(c6652.05,3439.51) 6667.6,3439.51 6667.6,3391.39 ccw(c6674.35,3391.39) 6681.1,3391.39 6681.1,3439.51 cw(c6696.65,3439.51) 6712.2,3439.51 6712.2,3391.39 ccw(c6718.95,3391.39) 6725.7,3391.39 6725.7,3438.85 cw(c6741.25,3438.85) 6741.25,3454.4 6792,3454.4 6971.5,3454.4 ccw(c6971.5,3457.9) 6973.97,3455.43 ccw(c6971.5,3457.9) 6975,3457.9 v1(6975,3475)
HPCC_A_39_N: J6.F21 U16.Y12 | length 3868.9
  (L8) Inner 7 w3.5: v1(4940.94,4744.09) 4940.94,4734.94 cw(c4936,4734.94) 4936,4730 ccw(c4936,4711.65) 4917.65,4711.65 4917.65,4274.97 ccw(c5026.45,4274.97) 4949.52,4198.04 5870.09,3277.47 ccw(c5947.02,3354.4) 5947.02,3245.6 6301,3245.6 6311.25,3245.6 cw(c6311.25,3238.85) 6318,3238.85 6318,3233.14 ccw(c6324.75,3233.14) 6331.5,3233.14 6331.5,3238.85 cw(c6338.25,3238.85) 6338.25,3245.6 6340,3245.6 6424.79,3245.6 6430.94,3245.6 ccw(c6430.94,3261.15) 6446.49,3261.15 6446.49,3308.07 cw(c6453.24,3308.07) 6459.99,3308.07 6459.99,3260.76 ccw(c6475.54,3260.76) 6491.09,3260.76 6491.09,3308.07 cw(c6497.84,3308.07) 6504.59,3308.07 6504.59,3260.76 ccw(c6520.14,3260.76) 6535.69,3260.76 6535.69,3308.07 cw(c6542.44,3308.07) 6549.19,3308.07 6549.19,3260.76 ccw(c6564.74,3260.76) 6580.29,3260.76 6580.29,3308.07 cw(c6587.04,3308.07) 6593.79,3308.07 6593.79,3260.76 ccw(c6609.34,3260.76) 6624.89,3260.76 6624.89,3308.07 cw(c6631.64,3308.07) 6638.39,3308.07 6638.39,3260.76 ccw(c6653.94,3260.76) 6669.49,3260.76 6669.49,3308.07 cw(c6676.24,3308.07) 6682.99,3308.07 6682.99,3260.76 ccw(c6698.54,3260.76) 6714.09,3260.76 6714.09,3308.07 cw(c6720.84,3308.07) 6727.59,3308.07 6727.59,3261.15 ccw(c6743.14,3261.15) 6743.14,3245.6 6796,3245.6 6971.5,3245.6 cw(c6971.5,3242.1) 6973.97,3244.57 cw(c6971.5,3242.1) 6975,3242.1 v1(6975,3225)